# Allegro board RK_EVB7_RK3588_LP4XD200P232SD8_V11_20230111YWQ.brd (continued)
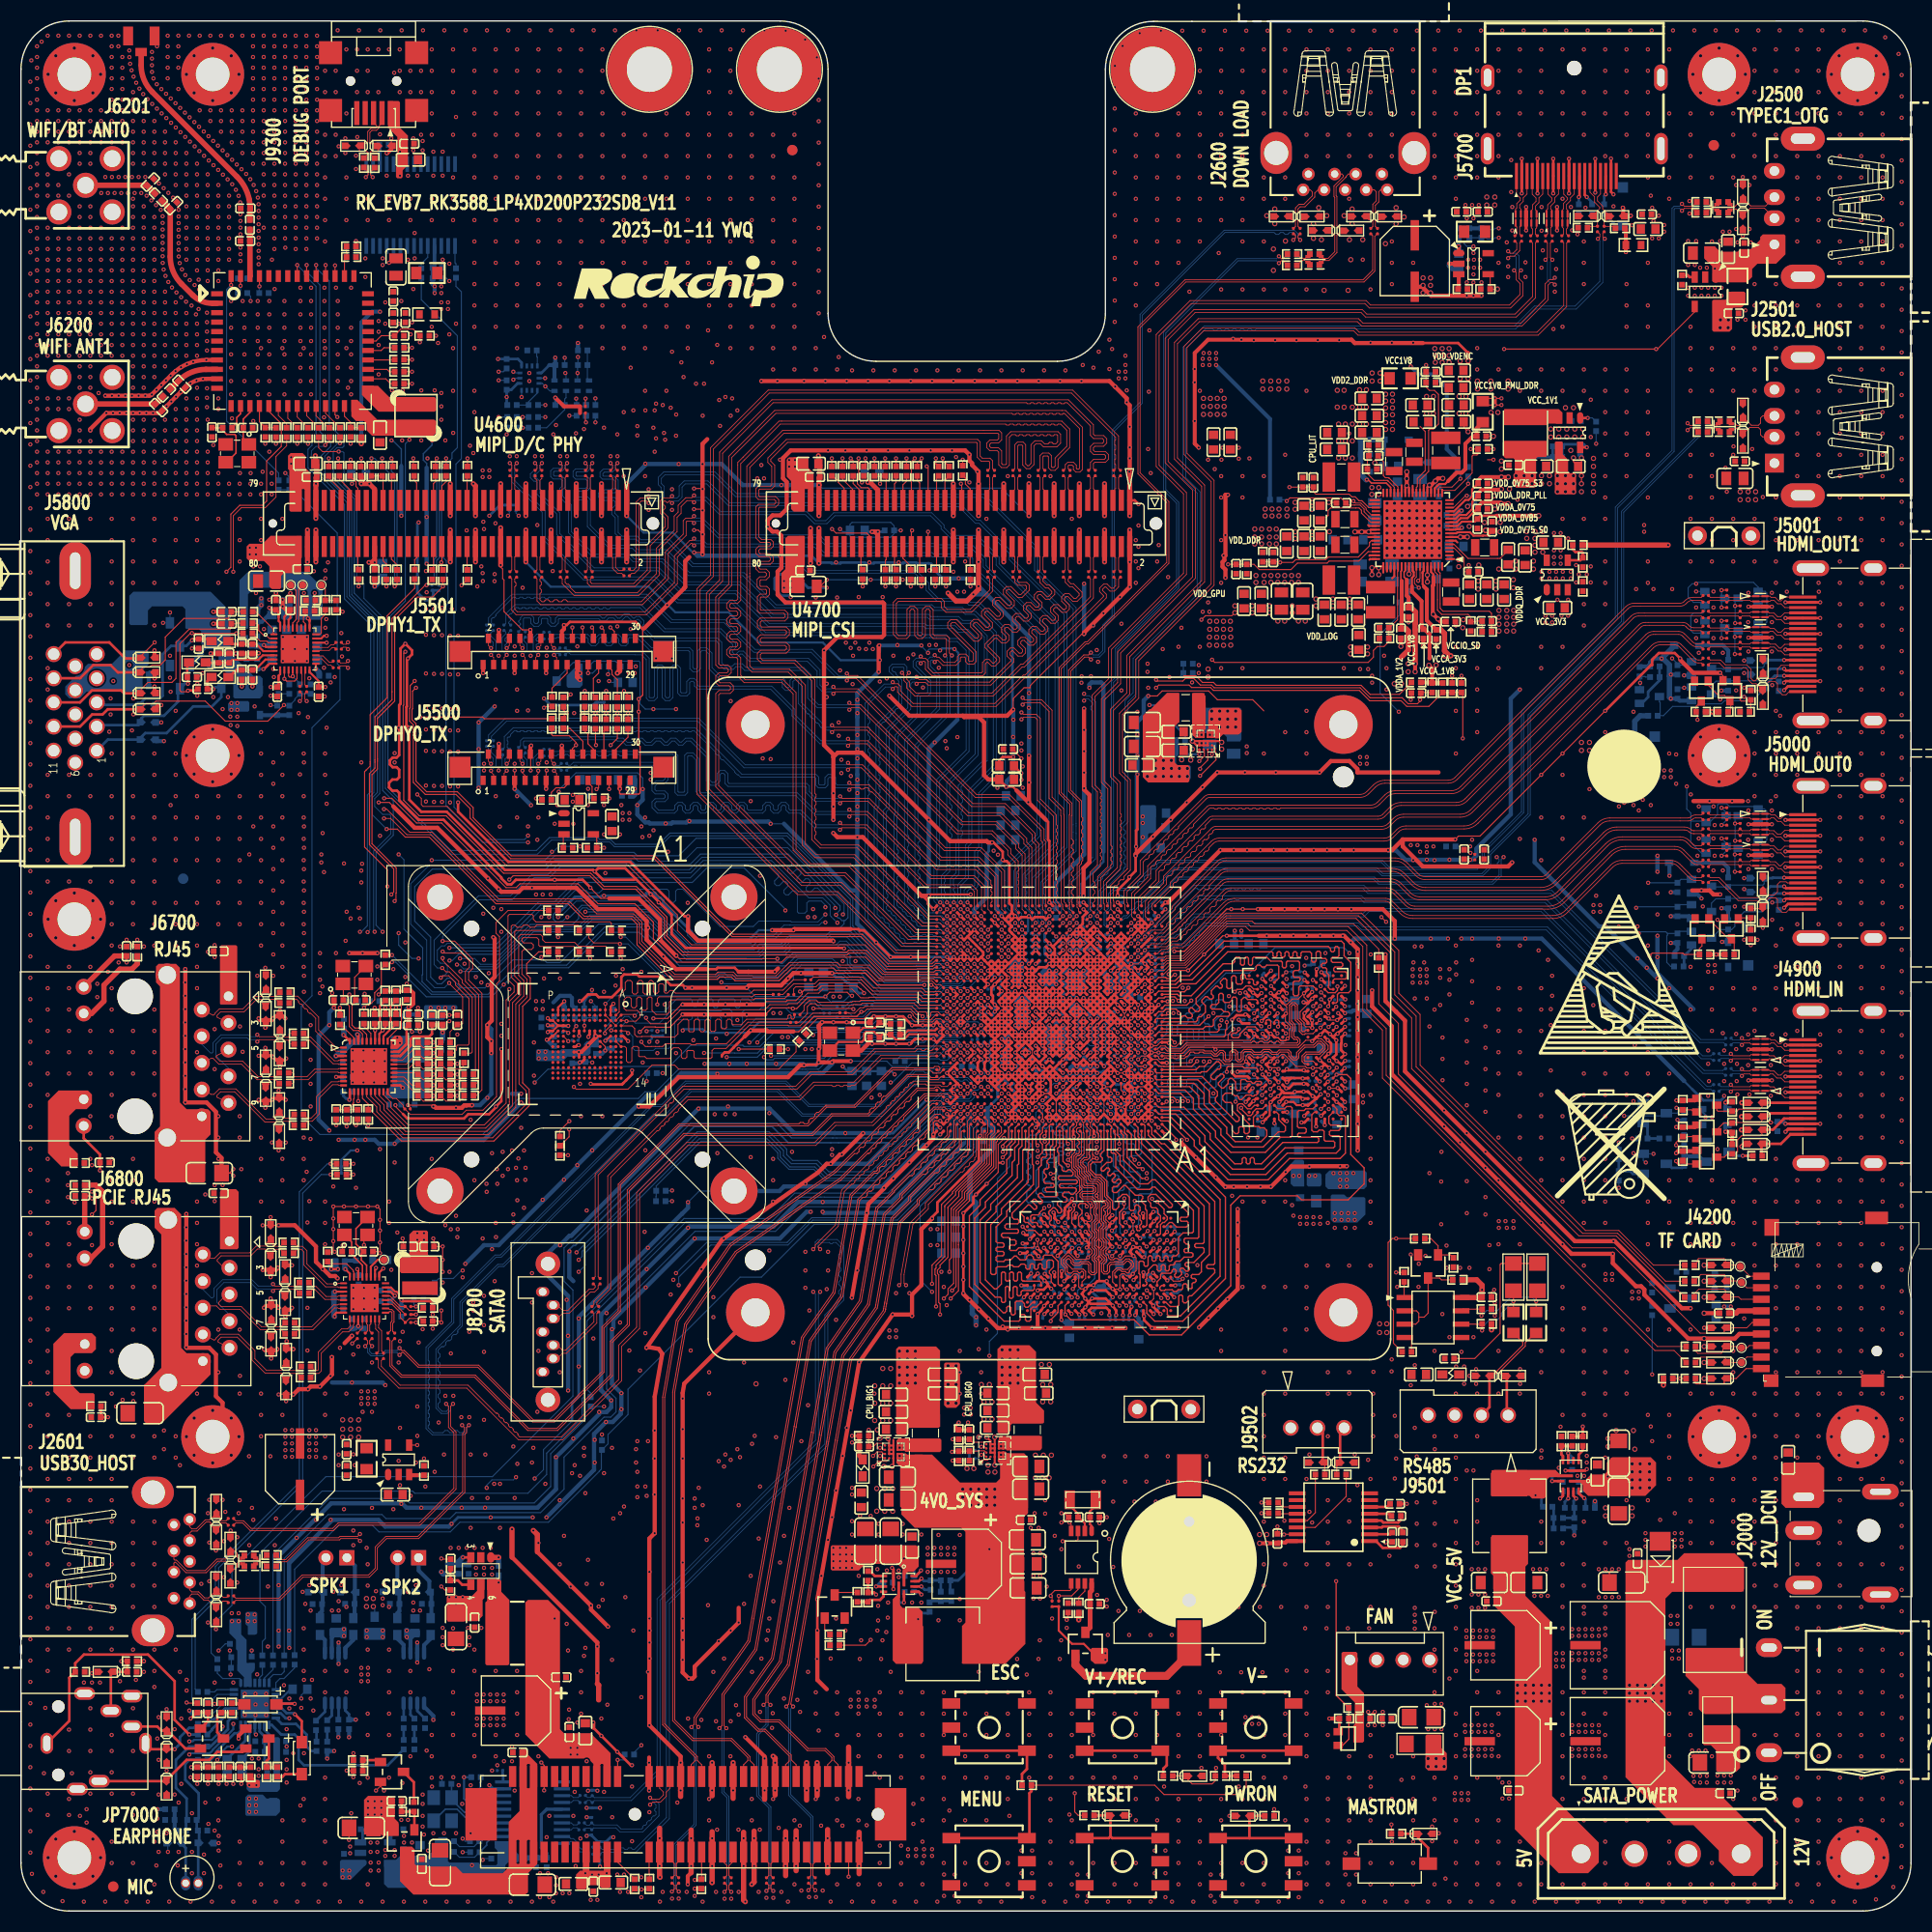
[diagram p0: board, top side]
## Routing (per net, layer and track width the routed paths; a pad name or vN(x,y) marks a point on that pad's centre or on a via; arc(x,y) is an arc through that point) (continued)
MIPI_DPHY0_TX_CLKP: length 58.5
  TOP w0.076: v1(78.01,105.5) 78.2,105.69 80.67,105.69 87.17,99.19 90.92,99.19 92.09,98.01 92.09,95.4 U1000.AN26
  BOTTOM w0.076: R5505.1 47.85,110.98 47.85,111.35 47.93,111.43 52.36,111.43 52.48,111.55 56.67,111.55 56.79,111.42 57.23,111.42 57.63,111.01 58.26,111.01 58.66,111.42 59.06,111.42 59.46,111.01 60.09,111.01 60.49,111.42 60.86,111.42 61.24,111.04 61.62,111.04 62,111.42 62.26,111.42 62.64,111.04 63.02,111.04 63.4,111.42 63.77,111.42 65.26,109.92 65.26,107.65 65.7,107.21 66.17,107.21 66.58,107.61 66.58,108.21 66.71,108.35 66.9,108.35 67.03,108.21 67.03,107.4 67.33,107.1 74.73,107.1 74.8,107.03 74.8,106.48 75.59,105.69 77.82,105.69 v1(78.01,105.5)
MIPI_DPHY0_TX_D0N: length 60
  TOP w0.076: v1(78.77,109.35) 78.95,109.16 80.15,109.16 88.03,101.28 91.45,101.28 93.67,99.05 93.67,95.77 U1000.AP24
  BOTTOM w0.076: v1(78.77,109.35) 78.58,109.16 68.98,109.16 64.53,113.6 46.14,113.6 44.53,111.99 44.53,111.62 R5501.2
MIPI_DPHY0_TX_D0P: length 59.8
  TOP w0.076: v1(78.77,108.69) 78.95,108.88 80.04,108.88 87.92,101 91.33,101 93.39,98.94 93.39,95.4 U1000.AN24
  BOTTOM w0.076: v1(78.77,108.69) 78.58,108.88 68.86,108.88 64.41,113.32 46.25,113.32 44.81,111.88 44.81,111.62 R5500.1
MIPI_DPHY0_TX_D1N: length 59.4
  TOP w0.076: v1(78.89,107.44) 79.08,107.25 80.77,107.25 87.67,100.36 91.26,100.36 93.02,98.6 93.02,95.77 U1000.AP25
  BOTTOM w0.076: v1(78.89,107.44) 78.7,107.25 77.72,107.25 77.58,107.39 77.58,107.95 77.28,108.24 76.86,108.24 76.57,107.95 76.57,107.33 76.49,107.25 76.05,107.25 75.97,107.33 75.97,107.99 75.69,108.27 68.64,108.27 64.22,112.69 51.98,112.69 46.87,112.69 46.03,111.84 46.03,110.78 R5502.1
MIPI_DPHY0_TX_D1P: length 61.2
  TOP w0.076: U1000.AN25 92.74,95.4 92.74,98.48 91.14,100.08 87.55,100.08 81.06,106.57 81,106.57 80.94,106.57 80.78,106.73 80.78,106.85 80.66,106.97 80.36,106.97 80.3,106.91 80.23,106.85 80,106.85 79.94,106.91 79.88,106.97 79.08,106.97 v1(78.89,106.79)
  BOTTOM w0.076: v1(78.89,106.79) 78.71,106.97 77.6,106.97 77.3,107.27 77.3,107.83 77.17,107.97 76.98,107.97 76.85,107.83 76.85,107.21 76.61,106.97 75.93,106.97 75.69,107.21 75.69,107.87 75.58,107.99 68.53,107.99 68.31,108.21 68.22,108.21 68.06,108.37 67.97,108.46 67.97,108.55 66.89,109.63 66.75,109.63 66.59,109.79 66.59,109.93 66.43,110.09 66.28,110.09 66.12,110.25 66.12,110.4 64.11,112.41 63.93,112.41 63.83,112.31 63.6,112.31 63.5,112.41 63.27,112.41 63.17,112.31 62.94,112.31 62.84,112.41 62.61,112.41 62.51,112.31 62.28,112.31 62.18,112.41 61.95,112.41 61.85,112.31 61.62,112.31 61.52,112.41 61.29,112.41 61.19,112.31 60.96,112.31 60.86,112.41 60.63,112.41 60.53,112.31 60.3,112.31 60.2,112.41 59.97,112.41 59.87,112.31 59.64,112.31 59.54,112.41 59.31,112.41 59.21,112.31 58.98,112.31 58.87,112.41 58.65,112.41 58.54,112.31 58.32,112.31 58.21,112.41 57.99,112.41 57.88,112.31 57.66,112.31 57.55,112.41 51.87,112.41 51.56,112.41 51.51,112.36 51.46,112.31 51.23,112.31 51.18,112.36 51.13,112.41 50.9,112.41 50.85,112.36 50.8,112.31 50.57,112.31 50.52,112.36 50.47,112.41 50.24,112.41 50.19,112.36 50.14,112.31 49.91,112.31 49.86,112.36 49.81,112.41 49.58,112.41 49.53,112.36 49.48,112.31 49.25,112.31 49.2,112.36 49.15,112.41 48.92,112.41 48.87,112.36 48.82,112.31 48.59,112.31 48.54,112.36 48.49,112.41 48.26,112.41 48.21,112.36 48.16,112.31 47.93,112.31 47.88,112.36 47.83,112.41 47.6,112.41 47.55,112.36 47.5,112.31 47.27,112.31 47.22,112.36 47.17,112.41 46.99,112.41 46.63,112.05 46.63,111.93 46.51,111.8 46.38,111.8 46.31,111.73 46.31,111.45 46.38,111.39 46.38,111.16 46.31,111.09 46.31,110.83 R5503.2
MIPI_DPHY0_TX_D2N: length 57.8
  TOP w0.076: v1(78.89,104.89) 79.08,104.71 80.62,104.71 86.72,98.6 90.79,98.6 91.76,97.64 91.76,95.74 U1000.AP27
  BOTTOM w0.076: v1(78.89,104.89) 78.71,104.71 75.71,104.71 73.93,106.49 64.77,106.49 64.54,106.72 64.54,109.77 64.01,110.3 63.45,110.3 63.21,110.06 63.21,106.63 63.13,106.55 62.64,106.55 62.56,106.63 62.56,110.06 62.19,110.43 50.52,110.43 R5506.1
MIPI_DPHY0_TX_D2P: length 59.1
  TOP w0.076: v1(78.89,104.24) 79.08,104.43 80.5,104.43 86.6,98.32 90.67,98.32 91.48,97.52 91.48,95.37 U1000.AN27
  BOTTOM w0.076: v1(78.89,104.24) 78.7,104.43 75.59,104.43 73.81,106.21 64.65,106.21 64.26,106.6 64.26,109.65 63.89,110.02 63.56,110.02 63.49,109.95 63.49,106.51 63.25,106.27 62.53,106.27 62.29,106.51 62.29,109.94 62.08,110.15 57.4,110.15 57.27,110.02 57.04,110.02 56.92,110.15 56.77,110.15 56.64,110.02 56.41,110.02 56.28,110.15 56.05,110.15 55.93,110.02 55.7,110.02 55.57,110.15 55.34,110.15 55.22,110.02 54.99,110.02 54.86,110.15 54.63,110.15 54.5,110.02 54.28,110.02 54.15,110.15 53.92,110.15 53.79,110.02 53.56,110.02 53.44,110.15 53.21,110.15 53.08,110.02 52.85,110.02 52.73,110.15 52.55,110.15 52.42,110.02 52.19,110.02 52.07,110.15 51.84,110.15 51.71,110.02 51.48,110.02 51.35,110.15 51.13,110.15 51,110.02 50.77,110.02 50.64,110.15 50.47,110.15 R5507.2
MIPI_DPHY0_TX_D3N: length 59.1
  TOP w0.076: U1000.AP28 91.07,95.77 91.07,97.22 90.55,97.74 86.24,97.74 80.53,103.44 78.19,103.44 v1(78,103.63)
  BOTTOM w0.076: R5508.2 52.14,109.11 52.32,109.11 52.61,109.4 60.99,109.4 61.62,108.77 61.62,107.72 61.25,107.36 60.6,107.36 60.38,107.13 60.38,106.8 60.51,106.67 61.32,106.67 61.62,106.37 61.62,105.95 61.32,105.65 60.51,105.65 60.38,105.52 60.38,105.2 60.74,104.83 62.12,104.83 62.25,104.97 62.25,105.28 62.55,105.58 62.97,105.58 63.27,105.28 63.27,104.97 63.4,104.83 63.59,104.83 63.73,104.97 63.73,105.28 64.02,105.58 64.44,105.58 64.74,105.28 64.74,104.97 64.88,104.83 65.07,104.83 65.2,104.97 65.2,105.28 65.5,105.58 65.92,105.58 66.22,105.28 66.22,104.97 66.35,104.83 66.54,104.83 66.67,104.97 66.67,105.28 66.97,105.58 67.39,105.58 67.69,105.28 67.69,104.97 67.82,104.83 68.01,104.83 68.15,104.97 68.15,105.28 68.44,105.58 68.86,105.58 69.16,105.28 69.16,104.97 69.3,104.83 70.51,104.83 70.64,104.97 70.64,105.28 70.94,105.58 71.36,105.58 71.66,105.28 71.66,104.97 71.79,104.83 71.98,104.83 72.12,104.97 72.12,105.28 72.42,105.58 72.84,105.58 73.13,105.28 73.13,104.97 73.27,104.83 74.3,104.83 75.69,103.44 77.82,103.44 v1(78,103.63)
MIPI_DPHY0_TX_D3P: length 59.5
  TOP w0.076: v1(78,102.98) 78.19,103.16 80.42,103.16 86.12,97.46 90.44,97.46 90.79,97.11 90.79,95.4 U1000.AN28
  BOTTOM w0.076: v1(78,102.98) 77.82,103.16 75.58,103.16 74.19,104.55 73.15,104.55 72.85,104.85 72.85,105.16 72.72,105.3 72.53,105.3 72.4,105.16 72.4,104.85 72.1,104.55 71.68,104.55 71.38,104.85 71.38,105.16 71.25,105.3 71.06,105.3 70.92,105.16 70.92,104.85 70.63,104.55 69.18,104.55 68.88,104.85 68.88,105.16 68.75,105.3 68.56,105.3 68.42,105.16 68.42,104.85 68.13,104.55 67.71,104.55 67.41,104.85 67.41,105.16 67.27,105.3 67.09,105.3 66.95,105.16 66.95,104.85 66.65,104.55 66.23,104.55 65.94,104.85 65.94,105.16 65.8,105.3 65.61,105.3 65.48,105.16 65.48,104.85 65.18,104.55 64.76,104.55 64.46,104.85 64.46,105.16 64.33,105.3 64.14,105.3 64.01,105.16 64.01,104.85 63.71,104.55 63.29,104.55 62.99,104.85 62.99,105.16 62.86,105.3 62.67,105.3 62.53,105.16 62.53,104.85 62.23,104.55 60.62,104.55 60.1,105.08 60.1,105.63 60.39,105.93 61.21,105.93 61.34,106.07 61.34,106.26 61.21,106.39 60.39,106.39 60.1,106.69 60.1,107.24 60.49,107.64 61.14,107.64 61.34,107.84 61.34,108.65 60.88,109.12 53.35,109.12 53.24,109.01 53.02,109.01 52.91,109.12 52.73,109.12 52.44,108.83 52.14,108.83 R5509.1
MIPI_DPHY1_RX_CLKN: length 91.7
  TOP w0.076: U1000.AL20 v1(96.64,94.1) ; v1(64.1,134.81) 63.88,134.6 63.31,134.6 62.59,133.87 62.59,133.23 62.2,132.85 62.2,131.48 60.5,129.78 60.5,127.35 58.71,125.55 52.8,125.55 52.31,126.05 52.31,126.19 52.14,126.36 52,126.36 51.82,126.53 51.82,126.87 R4609.2
  BOTTOM w0.076: v1(96.64,94.1) 96.62,94.1 96.55,94.18 96.55,94.46 96.59,94.51 96.59,95 95.69,95.9 95.69,96.34 95.78,96.43 95.78,96.6 95.69,96.69 95.69,96.81 95.78,96.91 95.78,97.07 95.69,97.16 95.69,97.38 95.74,97.42 95.78,97.47 95.78,97.7 95.74,97.74 95.69,97.79 95.69,98.02 95.74,98.06 95.78,98.11 95.78,98.34 95.74,98.38 95.69,98.43 95.69,98.6 98.76,101.66 98.76,102.86 98.76,102.86 98.76,122.7 93.15,128.3 93.15,128.95 91.1,131 88.66,131 87.91,131.75 87.91,131.99 86.74,133.16 77.39,133.16 76.64,132.41 75.68,132.41 74.83,133.26 66.65,133.26 65.29,134.63 64.29,134.63 v1(64.1,134.81)
MIPI_DPHY1_RX_CLKP: length 92
  TOP w0.076: v1(64.1,134.16) 63.94,134.32 63.43,134.32 62.87,133.76 62.87,133.11 62.48,132.73 62.48,131.36 60.78,129.66 60.78,127.23 58.82,125.28 52.68,125.28 51.54,126.41 51.54,126.87 R4611.2 ; U1000.AK20 v1(96.64,93.45)
  BOTTOM w0.076: v1(64.1,134.16) 64.29,134.35 65.18,134.35 66.54,132.98 74.71,132.98 75.57,132.13 76.76,132.13 77.51,132.88 86.63,132.88 87.63,131.88 87.63,131.64 88.54,130.72 90.98,130.72 92.87,128.83 92.87,128.18 98.48,122.58 98.48,102.74 98.48,101.77 95.41,98.71 95.41,95.78 96.31,94.89 96.31,94.62 96.27,94.58 96.27,93.83 v1(96.64,93.45)
MIPI_DPHY1_RX_D0N: length 90.3
  TOP w0.076: R4601.2 58.06,127.68 58.32,127.68 58.59,127.95 58.59,134.18 58.96,134.56 59.59,134.56 v1(59.77,134.75) ; U1000.AL18 v1(97.94,94.1)
  BOTTOM w0.076: v1(97.94,94.1) 97.89,94.16 97.89,94.35 97.56,94.68 97.56,95.83 97.42,95.97 97.42,96.34 97.56,96.48 97.56,96.71 97.42,96.85 97.42,97.88 100.48,100.94 100.48,102.03 100.48,103.34 100.48,103.34 100.48,103.57 100.48,103.58 100.48,124.12 96.81,127.79 96.81,129.84 91.73,134.91 75.62,134.91 75.54,134.99 68.16,134.99 66.1,137.06 61.21,137.06 60.71,136.55 60.71,135.83 60.96,135.58 60.96,134.78 60.74,134.56 59.96,134.56 v1(59.77,134.75)
MIPI_DPHY1_RX_D0P: length 90.6
  TOP w0.076: v1(59.77,134.09) 59.59,134.28 59.08,134.28 58.87,134.07 58.87,127.83 58.43,127.4 58.16,127.4 R4603.2 ; U1000.AK18 v1(97.94,93.45)
  BOTTOM w0.076: v1(59.77,134.09) 59.96,134.28 60.86,134.28 61.24,134.66 61.24,135.69 60.99,135.94 60.99,136.44 61.33,136.78 65.98,136.78 68.05,134.71 75.43,134.71 75.5,134.64 91.62,134.64 96.53,129.72 96.53,127.68 100.2,124 100.2,103.46 100.2,103.46 100.2,102.74 100.2,101.91 100.2,101.91 100.2,101.06 97.14,98 97.14,95.86 97.28,95.71 97.28,94.56 97.61,94.24 97.61,93.99 97.94,93.65 v1(97.94,93.45)
MIPI_DPHY1_RX_D1N: length 91.4
  TOP w0.076: U1000.AL19 v1(97.29,94.1) ; v1(62,134.75) 61.81,134.56 61.14,134.56 60.9,134.32 60.9,133.1 61.34,132.65 61.34,131.84 59.64,130.14 59.64,127.71 58.35,126.42 54.37,126.42 54.22,126.56 54.22,126.87 R4605.2
  BOTTOM w0.076: v1(62,134.75) 62.19,134.56 62.48,134.56 62.68,134.76 62.68,135.72 63.15,136.19 65.42,136.19 67.49,134.13 75.19,134.13 75.29,134.03 89.43,134.03 91.01,132.44 91.37,132.44 94.41,129.4 94.41,128.81 99.62,123.6 99.62,103.22 99.62,101.3 96.57,98.25 96.57,96.79 96.57,96.79 96.57,95.9 97.1,95.37 97.1,94.49 97.18,94.41 97.18,94.41 97.24,94.35 97.29,94.3 v1(97.29,94.1)
MIPI_DPHY1_RX_D1P: length 92.4
  TOP w0.076: U1000.AK19 v1(97.29,93.45) ; v1(62,134.09) 61.81,134.28 61.75,134.28 61.62,134.15 61.49,134.15 61.37,134.28 61.26,134.28 61.18,134.2 61.18,133.96 61.37,133.77 61.37,133.61 61.18,133.42 61.18,133.21 61.62,132.77 61.62,131.72 59.92,130.02 59.92,127.59 58.47,126.14 54.25,126.14 53.94,126.45 53.94,126.87 R4607.2
  BOTTOM w0.076: v1(62,134.09) 62.19,134.28 62.59,134.28 62.96,134.65 62.96,135.6 63.27,135.92 65.3,135.92 67.37,133.85 75.07,133.85 75.17,133.75 89.31,133.75 90.89,132.16 91.25,132.16 94.13,129.28 94.13,128.69 99.34,123.48 99.34,103.1 99.34,103.1 99.34,101.42 96.29,98.37 96.29,96.91 96.29,96.9 96.29,95.78 96.82,95.25 96.82,94.37 96.9,94.3 96.9,94.29 96.96,94.24 96.96,93.99 97.29,93.65 v1(97.29,93.45)
MIPI_DPHY1_RX_D2N: length 91.8
  TOP w0.076: v1(64.09,132.84) 63.91,132.65 63.31,132.65 63.07,132.41 63.07,131.12 61.37,129.42 61.37,126.99 59.07,124.69 52.08,124.69 51.98,124.79 51.98,124.79 51.89,124.88 51.66,124.88 51.57,124.79 51.57,124.79 51.47,124.69 51.24,124.69 51.15,124.79 51.15,124.79 51.05,124.88 50.82,124.88 50.73,124.79 50.73,124.79 50.63,124.69 50.4,124.69 50.31,124.79 50.31,124.79 50.21,124.88 49.99,124.88 49.89,124.79 49.89,124.79 49.8,124.69 49.62,124.69 49.42,124.89 49.42,125.46 49.56,125.59 49.56,125.82 49.42,125.96 49.42,126.18 49.56,126.32 49.56,126.55 49.42,126.68 49.42,126.87 R4613.2 ; v1(95.34,94.1) U1000.AL21
  BOTTOM w0.076: v1(95.34,94.1) 95.3,94.14 95.3,94.99 94.83,95.46 94.83,98.95 97.89,102.02 97.89,102.5 97.89,122.15 91.91,128.13 91.91,128.78 90.58,130.11 87.25,130.11 87.13,130.23 76.85,130.23 76.03,131.05 66.51,131.05 64.91,132.65 64.28,132.65 v1(64.09,132.84)
MIPI_DPHY1_RX_D2P: length 91.9
  TOP w0.076: R4615.2 49.14,126.87 49.14,124.77 49.5,124.41 59.18,124.41 61.65,126.88 61.65,129.3 63.35,131.01 63.35,132.3 63.42,132.37 63.91,132.37 v1(64.09,132.19) ; U1000.AK21 v1(95.34,93.45)
  BOTTOM w0.076: v1(95.34,93.45) 95.02,93.77 95.02,94.87 94.55,95.35 94.55,99.07 97.61,102.13 97.61,102.39 97.61,122.03 91.63,128.01 91.63,128.67 90.47,129.83 87.13,129.83 87.02,129.95 76.74,129.95 75.91,130.77 66.4,130.77 64.8,132.37 64.28,132.37 v1(64.09,132.19)
MIPI_DPHY1_RX_D3N: length 91.9
  TOP w0.076: R4617.2 47.02,126.87 47.02,126.59 47.08,126.53 47.14,126.47 47.14,126.24 47.08,126.18 47.02,126.12 47.02,123.98 47.26,123.74 59.45,123.74 62.23,126.52 62.23,129.06 63.69,130.52 63.92,130.52 v1(64.1,130.7) ; v1(94.69,94.1) U1000.AL22
  BOTTOM w0.076: v1(64.1,130.7) 64.31,130.5 65.02,130.5 65.33,130.19 75.67,130.19 76.49,129.37 86.77,129.37 86.89,129.25 89.57,129.25 89.57,129.25 90.21,129.25 90.64,128.82 90.64,128.18 97.03,121.79 97.03,102.37 93.97,99.31 93.97,98.02 93.97,96.82 93.96,96.11 93.97,96.11 93.97,95.47 94.26,95.18 94.26,94.04 94.38,93.92 94.51,93.92 v1(94.69,94.1)
MIPI_DPHY1_RX_D3P: length 92.3
  TOP w0.076: v1(64.1,130.05) 63.91,130.24 63.8,130.24 62.51,128.95 62.51,126.41 59.56,123.46 47.15,123.46 46.74,123.86 46.74,126.87 R4619.2 ; U1000.AK22 v1(94.69,93.45)
  BOTTOM w0.076: v1(94.69,93.45) 94.51,93.64 94.27,93.64 93.98,93.92 93.98,95.06 93.69,95.36 93.69,95.99 93.69,95.99 93.69,96.22 93.69,96.71 93.69,96.71 93.69,96.94 93.69,96.94 93.69,97.19 93.69,97.19 93.69,97.42 93.69,98.14 93.69,98.14 93.69,99.43 96.75,102.49 96.75,121.67 90.36,128.07 90.36,128.71 90.1,128.97 89.46,128.97 89.45,128.97 86.78,128.97 86.66,129.09 76.38,129.09 75.56,129.91 65.21,129.91 64.91,130.22 64.27,130.22 v1(64.1,130.05)
MIPI_DPHY1_TX_CLKN: length 71.5
  TOP w0.076: U1000.AP20 96.27,95.77 96.27,101.29 95.79,101.78 95.79,102.15 93.33,104.6 90.26,104.6 79.98,114.87 79.08,114.87 v1(78.89,115.06)
  BOTTOM w0.076: v1(78.89,115.06) 78.71,114.87 75.96,114.87 75.21,115.62 75.21,117.77 74.55,118.43 69.05,118.43 68.69,118.79 67.97,118.79 67.72,118.53 67.08,118.53 66.74,118.88 66.74,120.83 66.34,121.22 60.35,121.22 59.22,122.36 59.22,122.46 59.31,122.55 59.31,122.89 58.91,123.29 58.57,123.29 58.42,123.13 58.31,123.13 57.89,123.55 57.45,123.55 57.03,123.13 56.83,123.13 56.54,123.42 55.85,123.42 55.56,123.13 55.36,123.13 55.13,123.36 51.14,123.36 50.9,123.12 50.9,122.77 50.77,122.64 50.58,122.64 50.44,122.77 50.44,123.14 50.2,123.38 49.53,123.38 49.29,123.14 49.29,122.75 49.16,122.62 48.97,122.62 48.84,122.75 48.84,123.18 48.6,123.42 47.81,123.42 47.57,123.18 47.57,123.03 47.4,122.85 47.4,122.77 47.57,122.6 47.57,122.52 47.45,122.4 47.45,122.29 47.57,122.16 47.57,122.01 R5534.2
MIPI_DPHY1_TX_CLKP: length 71.1
  TOP w0.076: U1000.AN20 95.99,95.4 95.99,101.18 95.51,101.66 95.51,102.03 93.22,104.32 90.14,104.32 79.87,114.59 79.08,114.59 v1(78.89,114.41)
  BOTTOM w0.076: R5535.1 47.85,122.01 47.85,123.07 47.93,123.14 48.48,123.14 48.56,123.07 48.56,122.64 48.85,122.34 49.28,122.34 49.57,122.64 49.57,123.03 49.65,123.1 50.09,123.1 50.16,123.03 50.16,122.65 50.46,122.36 50.88,122.36 51.18,122.65 51.18,123 51.26,123.08 55.02,123.08 55.24,122.85 55.67,122.85 55.97,123.14 56.42,123.14 56.72,122.85 57.15,122.85 57.57,123.27 57.77,123.27 58.19,122.85 58.53,122.85 58.69,123.01 58.8,123.01 59.03,122.78 59.03,122.67 58.94,122.58 58.94,122.24 60.23,120.94 66.22,120.94 66.46,120.71 66.46,118.76 66.97,118.25 67.83,118.25 68.09,118.51 68.58,118.51 68.93,118.15 74.43,118.15 74.93,117.65 74.93,115.51 75.84,114.59 78.7,114.59 v1(78.89,114.41)
MIPI_DPHY1_TX_D0N: length 71.4
  TOP w0.076: U1000.AP18 97.57,95.77 97.57,101.89 97.43,102.03 97.43,103.04 94.14,106.33 91.01,106.33 79.67,117.67 78.84,117.67 v1(78.65,117.86)
  BOTTOM w0.076: R5531.2 44.53,122.64 44.53,123.17 46.76,125.4 59.59,125.4 62.02,122.98 67.08,122.98 69.9,120.16 75.36,120.16 77.88,117.64 78.44,117.64 v1(78.65,117.86)
MIPI_DPHY1_TX_D0P: length 71.8
  TOP w0.076: v1(78.65,117.2) 78.84,117.39 79.55,117.39 90.89,106.05 94.03,106.05 97.16,102.92 97.16,101.92 97.29,101.78 97.29,95.4 U1000.AN18
  BOTTOM w0.076: v1(78.65,117.2) 78.49,117.36 77.76,117.36 75.25,119.88 69.78,119.88 66.97,122.7 61.91,122.7 59.48,125.13 50.29,125.13 50.17,125.01 49.94,125.01 49.83,125.13 49.6,125.13 49.48,125.01 49.25,125.01 49.13,125.13 48.91,125.13 48.79,125.01 48.56,125.01 48.44,125.13 48.22,125.13 48.1,125.01 47.87,125.01 47.75,125.13 47.52,125.13 47.41,125.01 47.18,125.01 47.06,125.13 46.88,125.13 45.22,123.47 45.22,123.4 45.22,123.34 45.06,123.18 45,123.18 45,123.18 44.93,123.18 44.81,123.05 44.81,122.64 R5530.1
MIPI_DPHY1_TX_D1N: length 70.2
  TOP w0.076: v1(77.37,116.59) 77.56,116.4 79.72,116.4 90.65,105.46 93.75,105.46 96.58,102.64 96.58,102 96.92,101.66 96.92,95.77 U1000.AP19
  BOTTOM w0.076: v1(77.37,116.59) 77.18,116.4 76.45,116.4 76.1,116.75 76.1,118.2 75,119.29 69.49,119.29 68.8,119.99 68.38,119.99 68.07,119.68 67.97,119.68 67.75,119.89 67.75,120 68.06,120.31 68.06,120.73 66.68,122.11 61.36,122.11 59.05,124.41 47.04,124.41 46.18,123.55 46.18,122.64 R5532.1
MIPI_DPHY1_TX_D1P: length 71.6
  TOP w0.076: v1(77.37,115.93) 77.56,116.12 79.6,116.12 90.53,105.18 93.64,105.18 96.3,102.52 96.3,101.88 96.64,101.54 96.64,95.4 U1000.AN19
  BOTTOM w0.076: R5533.2 46.46,122.64 46.46,122.74 46.63,122.92 46.63,123.01 46.46,123.19 46.46,123.43 46.58,123.56 46.71,123.56 46.87,123.72 46.87,123.85 47.16,124.13 47.34,124.13 47.38,124.09 47.38,124.09 47.43,124.04 47.66,124.04 47.71,124.09 47.71,124.09 47.76,124.13 47.98,124.13 48.03,124.09 48.03,124.09 48.08,124.04 48.31,124.04 48.36,124.09 48.36,124.09 48.41,124.13 48.63,124.13 48.68,124.09 48.68,124.09 48.73,124.04 48.96,124.04 49.01,124.09 49.01,124.09 49.05,124.13 49.23,124.13 49.37,123.99 49.6,123.99 49.75,124.13 49.97,124.13 50.12,123.99 50.34,123.99 50.49,124.13 50.66,124.13 50.79,124.01 51.02,124.01 51.15,124.13 51.38,124.13 51.5,124.01 51.73,124.01 51.86,124.13 52.09,124.13 52.21,124.01 52.44,124.01 52.57,124.13 52.75,124.13 52.89,123.99 53.12,123.99 53.26,124.13 53.49,124.13 53.63,123.99 53.86,123.99 54,124.13 54.23,124.13 54.37,123.99 54.6,123.99 54.74,124.13 54.97,124.13 55.11,123.99 55.34,123.99 55.49,124.13 55.66,124.13 55.79,124.01 56.02,124.01 56.15,124.13 58.94,124.13 61.24,121.83 66.56,121.83 67.78,120.61 67.78,120.43 67.47,120.12 67.47,119.78 67.85,119.4 68.19,119.4 68.5,119.71 68.69,119.71 69.38,119.01 74.89,119.01 75.82,118.08 75.82,116.64 76.34,116.12 77.18,116.12 v1(77.37,115.93)
MIPI_DPHY1_TX_D2N: length 69.7
  TOP w0.076: U1000.AP21 95.62,95.77 95.62,100.67 95.02,101.27 95.02,101.64 92.92,103.74 89.68,103.74 80.68,112.74 77.43,112.74 v1(77.24,112.92)
  BOTTOM w0.076: v1(77.24,112.92) 77.05,112.74 76.69,112.74 74.33,115.1 74.33,117.28 74.09,117.52 73.54,117.52 73.24,117.22 73.24,116.66 73.11,116.53 72.92,116.53 72.78,116.66 72.78,117.22 72.48,117.52 66.71,117.52 65.81,118.42 65.81,119.8 65.3,120.31 64.73,120.31 64.44,120.01 64.44,118.44 64.3,118.3 64.11,118.3 63.98,118.44 63.98,120.01 63.68,120.31 60.04,120.31 58.8,121.55 57.82,121.55 57.57,121.3 57.57,120.87 57.49,120.79 57.28,120.79 57.2,120.87 57.2,121.27 56.91,121.57 56.52,121.57 56.22,121.27 56.22,120.93 56.09,120.79 55.9,120.79 55.77,120.93 55.77,121.27 55.47,121.57 55.05,121.57 54.75,121.27 54.75,120.93 54.62,120.79 54.43,120.79 54.29,120.93 54.29,121.27 54,121.57 50.53,121.57 R5536.1
MIPI_DPHY1_TX_D2P: length 70.6
  TOP w0.076: v1(77.24,112.27) 77.43,112.46 80.57,112.46 89.57,103.46 92.81,103.46 94.74,101.52 94.74,101.16 95.34,100.56 95.34,95.4 U1000.AN21
  BOTTOM w0.076: R5537.2 50.45,121.29 50.63,121.29 50.72,121.2 50.94,121.2 51.03,121.29 51.24,121.29 51.33,121.2 51.55,121.2 51.64,121.29 51.85,121.29 51.94,121.2 52.16,121.2 52.25,121.29 52.46,121.29 52.55,121.2 52.77,121.2 52.85,121.29 53.07,121.29 53.16,121.2 53.37,121.2 53.46,121.29 53.88,121.29 54.01,121.15 54.01,120.81 54.31,120.51 54.73,120.51 55.03,120.81 55.03,121.15 55.16,121.29 55.35,121.29 55.49,121.15 55.49,120.81 55.79,120.51 56.21,120.51 56.5,120.81 56.5,121.15 56.64,121.29 56.79,121.29 56.92,121.16 56.92,120.75 57.16,120.51 57.61,120.51 57.85,120.75 57.85,121.19 57.94,121.27 58.68,121.27 59.93,120.03 63.57,120.03 63.7,119.9 63.7,118.32 64,118.02 64.42,118.02 64.72,118.32 64.72,119.9 64.85,120.03 65.19,120.03 65.53,119.69 65.53,118.3 66.6,117.24 72.37,117.24 72.5,117.1 72.5,116.54 72.8,116.25 73.22,116.25 73.52,116.54 73.52,117.1 73.65,117.24 73.97,117.24 74.05,117.16 74.05,114.98 74.74,114.29 74.74,114.24 74.73,114.24 74.73,114.18 74.9,114.02 74.95,114.02 74.95,114.02 75.01,114.02 75.17,113.86 75.17,113.8 75.17,113.8 75.17,113.74 75.33,113.58 75.39,113.58 75.39,113.58 75.44,113.58 75.61,113.42 75.61,113.37 75.61,113.36 75.61,113.31 75.77,113.15 75.82,113.15 75.82,113.15 75.88,113.15 76.04,112.99 76.04,112.93 76.04,112.87 76.2,112.71 76.26,112.71 76.32,112.71 76.57,112.46 77.05,112.46 v1(77.24,112.27)
MIPI_DPHY1_TX_D3N: length 72
  TOP w0.076: U1000.AP22 94.97,95.77 94.97,96.02 95.02,96.07 95.02,96.31 94.97,96.36 94.97,96.64 95.02,96.69 95.02,96.9 94.97,96.95 94.97,97.15 95.02,97.2 95.02,97.46 94.97,97.51 94.97,97.78 95.02,97.83 95.02,98.1 94.97,98.15 94.97,98.42 95.02,98.47 95.02,98.73 94.97,98.78 94.97,99.05 95.02,99.1 95.02,99.37 94.97,99.42 94.97,99.99 94.26,100.7 94.26,101.13 92.52,102.87 89.23,102.87 80.66,111.45 78.95,111.45 v1(78.77,111.63)
  BOTTOM w0.076: v1(78.77,111.63) 78.58,111.45 76.2,111.45 73.7,113.94 73.7,114.45 71.5,116.65 64.55,116.65 64.42,116.79 64.42,117.09 64.12,117.39 63.7,117.39 63.4,117.09 63.4,116.09 63.33,116.02 62.9,116.02 62.83,116.09 62.83,118.36 62.53,118.66 62.11,118.66 61.81,118.36 61.81,115.68 61.68,115.55 61.49,115.55 61.35,115.68 61.35,118.36 61.06,118.66 60.63,118.66 60.34,118.36 60.34,115.68 60.2,115.55 59.91,115.55 59.83,115.63 59.83,119.3 59.21,119.92 58.58,119.92 58.57,119.93 52.48,119.93 52.3,120.11 52.02,120.11 R5538.2
MIPI_DPHY1_TX_D3P: length 72.1
  TOP w0.076: v1(78.77,110.98) 78.95,111.17 80.54,111.17 89.12,102.59 92.4,102.59 93.98,101.02 93.98,100.59 94.69,99.87 94.69,95.4 U1000.AN22
  BOTTOM w0.076: v1(78.77,110.98) 78.58,111.17 76.08,111.17 73.42,113.83 73.42,114.33 71.39,116.37 64.44,116.37 64.14,116.67 64.14,116.98 64.01,117.11 63.82,117.11 63.68,116.98 63.68,115.98 63.44,115.74 62.79,115.74 62.55,115.98 62.55,118.25 62.41,118.38 62.22,118.38 62.09,118.25 62.09,115.57 61.79,115.27 61.37,115.27 61.07,115.57 61.07,118.25 60.94,118.38 60.75,118.38 60.62,118.25 60.62,115.57 60.32,115.27 59.79,115.27 59.55,115.51 59.55,119.18 59.1,119.64 58.47,119.64 58.46,119.65 52.36,119.65 52.18,119.83 52.02,119.83 R5539.1
MIPI_DPHY_FSYNC: length 78.9
  TOP w0.104: R4735.1 v1(83.34,138.34) ; v1(35.28,138.34) 35.41,138.22 R4630.1 ; R4734.2 v1(83.34,126.15) ; v1(35.59,126.15) 35.69,126.15 35.81,126.28 R4631.2
  L3-POWER1 w0.104: v1(83.34,126.15) 83.21,126.28 83.21,128.95 83.34,129.07 v1(83.34,138.34)
  L6-S2 w0.104: v1(35.28,138.34) 35.28,138.62 35.38,138.72 41.3,138.72 42.82,140.25 45.24,140.25 46.51,138.98 57.92,138.98 58.25,138.64 59.47,138.64 59.85,138.26 59.99,138.12 60.84,138.12 60.93,138.22 65.05,138.22 65.3,137.96 69.49,137.96 70.12,137.33 71.27,137.33 71.65,136.95 74.83,136.95 75.08,137.2 82.19,137.2 v1(83.34,138.34)
  BOTTOM w0.104: v1(35.59,126.15) 35.59,126.25 35.81,126.48 35.81,136.59 35.28,137.12 v1(35.28,138.34)
MIPI_DPHY_HSYNC: length 80.8
  TOP w0.104: R4652.2 v1(34.8,126.15) ; R4751.2 v1(82.32,126.15) ; R4651.1 v1(33.38,138.34) ; R4741.1 v1(82.3,138.34)
  L3-POWER1 w0.104: v1(82.32,126.15) 82.3,126.17 v1(82.3,138.34)
  L6-S2 w0.104: v1(33.38,138.34) 33.86,138.34 34.72,139.21 40.95,139.21 42.54,140.8 45.52,140.8 46.86,139.46 58.09,139.46 58.45,139.11 59.69,139.11 60.21,138.59 60.59,138.59 60.7,138.69 65.34,138.69 65.37,138.66 74.57,138.66 75.52,137.71 80.54,137.71 80.91,138.07 80.91,138.5 81.13,138.72 81.92,138.72 v1(82.3,138.34)
  BOTTOM w0.104: v1(33.38,138.34) 33.68,138.34 35.58,136.44 35.58,126.94 v1(34.8,126.15)
MIPI_TE: length 18.5
  TOP w0.104: J5500.18 52.51,110.69 v1(52.86,111.04) 52.86,111.29 52.22,111.93 50.65,111.93 50.55,112.03 R5511.1 ; v1(52.51,122.24) J5501.18
  L3-POWER1 w0.104: v1(52.51,122.24) 52.63,122.12 52.63,121.83 53.37,121.09 53.37,119.14 52.63,118.4 52.63,117.23 51.36,115.96 51.36,113.68 52.71,112.33 52.71,111.19 v1(52.86,111.04)
MIPILCD_TE: length 75.5
  TOP w0.104: v1(38,113.71) 43.97,113.71 44.13,113.55 R5511.2
  L3-POWER1 w0.104: v1(42.06,61) 41.94,61.13 41.94,62.78 39.4,65.32 38.05,65.32 36.68,66.69 36.68,73.78 37.87,74.97 37.87,83.23 37.62,83.48 37.62,83.99 37.36,84.24 37.36,90.82 37.63,91.08 37.63,91.76 36.64,92.75 35.81,92.75 35.59,92.97 35.59,93.64 34.51,94.71 34.51,99.93 36.98,102.4 36.98,111.8 38,112.82 v1(38,113.71)